# Altium PCB SmartWatch-V2.PcbDoc (continued)
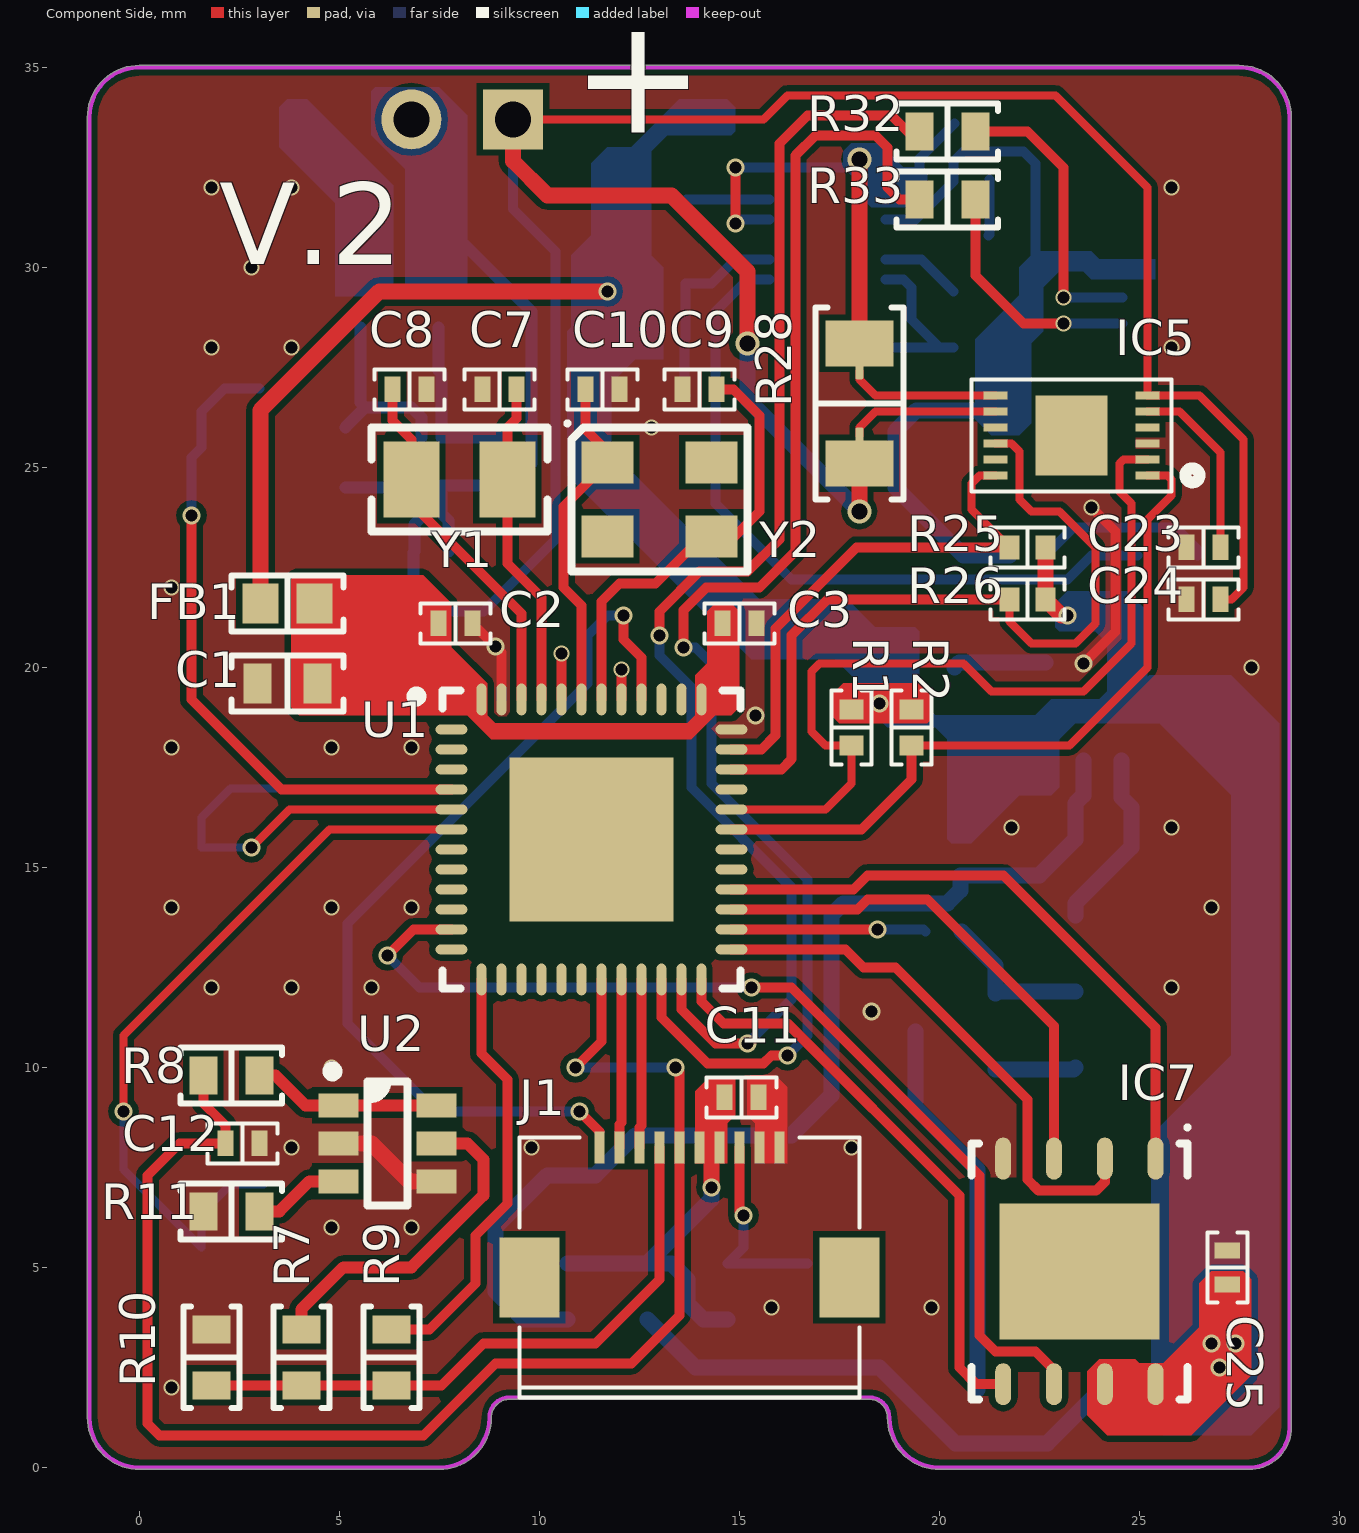
[diagram p0: Component Side view]
## Footprints (in the part's own frame and the unit in brackets; to place one, negate y for a bottom-side part, rotate by r counter-clockwise, add the part's x,y. Pads: shape width x height; smd on the part's side, far side on the other; paste and mask are expansions set on the pad) (continued)
  oval 0.25x0.8 smd: 13(-2.75,-3.5) 14(-2.25,-3.5) 15(-1.75,-3.5) 16(-1.25,-3.5) 17(-0.75,-3.5) 18(-0.25,-3.5) 19(0.25,-3.5) 20(0.75,-3.5) 21(1.25,-3.5) 22(1.75,-3.5) 23(2.25,-3.5) 24(2.75,-3.5) 37(2.75,3.5) 38(2.25,3.5) 39(1.75,3.5) 40(1.25,3.5) 41(0.75,3.5) 42(0.25,3.5) 43(-0.25,3.5) 44(-0.75,3.5) 45(-1.25,3.5) 46(-1.75,3.5) 47(-2.25,3.5) 48(-2.75,3.5)
  rect 4.1x4.1 smd: 49(0,0)
  silkscreen extent -4.5,-3.73 3.72,3.72, body extent -3.5,-3.5 3.5,3.5, height 1
TL3330 [mm]
  rect 1x1.5 smd: 1(-2,-1.5) 2(2,-1.5)
  rect 1.5x1 smd: 3(-3.5,0.5) 4(3.5,0.5)
  silkscreen extent -4,-1.75 4,1.25, body extent -3.9,-1.76 3.9,1.75, height 3.45

## Part data
BT1: "Multicell Battery", LatestRevisionDate=17-Jul-2002, LatestRevisionNote="Re-released for DXP Platform.", PackageDescription="Battery; 2 Leads", PackageReference=BAT-2, Published=24-Mar-1999, Publisher="Altium Limited"
C1: library part GRM188R60J106ME47D, "CAP CER 10UF 6.3V X5R 0603", Device Package="0603 (1608 Metric)", Manufacturer="Murata Electronics North America", Supplier Part Number 1=490-3896-2-ND, TemperatureCoefficient=X5R, TemperatureRange="-55C ~ 85C", Tolerance=20%, Voltage=6.3V, ComponentLink1Description=Datasheet, ComponentLink1URL=http://www.murata.com/~/media/webrenewal/support/library/catalog/products/capacitor/mlcc/c02e.pdf, ComponentLink2Description="Digi-Key Listing", ComponentLink2URL=https://www.digikey.com/product-detail/en/murata-electronics-north-america/GRM188R60J106ME47D/490-3896-2-ND/965910, PartId=12950, Part Number=GRM188R60J106ME47D, Price=0,031, Supplier 1=Digi-Key
C2 C3 C4 C5 C6 C11 C12 C25: library part C1005X7R1C104K050BC, "CAP CER 0.1UF 16V X7R 0402", Device Package="0402 (1005 Metric)", Manufacturer="TDK Corporation", Supplier Part Number 1=445-4952-2-ND, TemperatureCoefficient=X7R, TemperatureRange="-55C ~ 125C", Tolerance=10%, Voltage=16V, ComponentLink1Description=Datasheet, ComponentLink1URL=https://product.tdk.com/info/en/catalog/datasheets/mlcc_commercial_general_en.pdf, ComponentLink2Description="Digi-Key listing", ComponentLink2URL=http://digikey.com/product-detail/en/C1005X7R1C104K050BC/445-4952-2-ND/2093220, PartId=3856, Part Number=C1005X7R1C104K050BC, Price=0,0066, Supplier 1=Digi-Key, Type=-
C7 C8: library part C1005C0G1H180J050BA, "CAP CER 18PF 50V C0G 0402", Device Package="0402 (1005 Metric)", Manufacturer="TDK Corporation", Supplier Part Number 1=445-1238-2-ND, TemperatureCoefficient="C0G, NP0", TemperatureRange="-55C ~ 125C", Tolerance=5%, Voltage=50V, ComponentLink1Description=Datasheet, ComponentLink1URL=https://product.tdk.com/info/en/catalog/datasheets/mlcc_commercial_general_en.pdf, ComponentLink2Description="Digi-Key listing", ComponentLink2URL=http://digikey.com/product-detail/en/C1005C0G1H180J050BA/445-1238-2-ND/513675, PartId=3882, Part Number=C1005C0G1H180J050BA, Price=0,006, Supplier 1=Digi-Key, Type=-
C9 C10 C14: library part C1005C0G1H100D050BA, "CAP CER 10PF 50V C0G 0402", Device Package="0402 (1005 Metric)", Manufacturer="TDK Corporation", Supplier Part Number 1=445-1235-2-ND, TemperatureCoefficient="C0G, NP0", TemperatureRange="-55C ~ 125C", Tolerance=0.5pF, Voltage=50V, ComponentLink1Description=Datasheet, ComponentLink1URL=https://product.tdk.com/info/en/catalog/datasheets/mlcc_commercial_general_en.pdf, ComponentLink2Description="Digi-Key listing", ComponentLink2URL=http://digikey.com/product-detail/en/C1005C0G1H100D050BA/445-1235-2-ND/513663, PartId=3878, Part Number=C1005C0G1H100D050BA, Price=0,006, Supplier 1=Digi-Key, Type=-
C13 C15 C16: library part CC0402MRX5R4BB475, "CAP CER 4.7UF 4V X5R 0402", Device Package="0402 (1005 Metric)", Manufacturer=Yageo, Supplier Part Number 1=311-1728-2-ND, TemperatureCoefficient=X5R, TemperatureRange="-55C ~ 85C", Tolerance=20%, Voltage=4V, ComponentLink1Description=Datasheet, ComponentLink1URL=http://www.yageo.com/documents/recent/UPY-GPHC_X5R_4V-to-50V-21.pdf, ComponentLink2Description="Digi-Key Listing", ComponentLink2URL=https://www.digikey.com/product-detail/en/yageo/CC0402MRX5R4BB475/311-1728-2-ND/5195137, PartId=12625, Part Number=CC0402MRX5R4BB475, Price=0,034, Supplier 1=Digi-Key
C17 C19 C20 C22: library part C1005X7R1E104K050BB, "CAP CER 0.1UF 25V X7R 0402", Device Package="0402 (1005 Metric)", Manufacturer="TDK Corporation", Supplier Part Number 1=445-7348-2-ND, TemperatureCoefficient=X7R, TemperatureRange="-55C ~ 125C", Tolerance=10%, Voltage=25V, ComponentLink1Description=Datasheet, ComponentLink1URL=https://product.tdk.com/info/en/catalog/datasheets/mlcc_commercial_general_en.pdf, ComponentLink2Description="Digi-Key listing", ComponentLink2URL=http://digikey.com/product-detail/en/C1005X7R1E104K050BB/445-7348-2-ND/2732783, PartId=3858, Part Number=C1005X7R1E104K050BB, Price=0,0211, Supplier 1=Digi-Key, Type=-
C18: library part C1608X7R2A103K080AA, "CAP CER 10000PF 100V X7R 0603", Device Package="0603 (1608 Metric)", Manufacturer="TDK Corporation", Supplier Part Number 1=445-1304-1-ND, TemperatureCoefficient=X7R, TemperatureRange="-55C ~ 125C", Tolerance=10%, Voltage=100V, ComponentLink1Description=Datasheet, ComponentLink1URL=https://product.tdk.com/info/en/catalog/datasheets/mlcc_commercial_midvoltage_en.pdf, ComponentLink2Description="Digi-Key listing", ComponentLink2URL=http://digikey.com/product-detail/en/C1608X7R2A103K080AA/445-1304-1-ND/567706, PartId=4033, Part Number=C1608X7R2A103K080AA, Price=0,14, Supplier 1=Digi-Key, Type=-
C21: library part C1005X5R0J106M050BC, "CAP CER 10UF 6.3V X5R 0402", Device Package="0402 (1005 Metric)", Manufacturer="TDK Corporation", Supplier Part Number 1=445-8920-2-ND, TemperatureCoefficient=X5R, TemperatureRange="-55C ~ 85C", Tolerance=20%, Voltage=6.3V, ComponentLink1Description=Datasheet, ComponentLink1URL=https://product.tdk.com/info/en/catalog/datasheets/mlcc_commercial_general_en.pdf, ComponentLink2Description="Digi-Key Listing", ComponentLink2URL=https://www.digikey.com/product-detail/en/tdk-corporation/C1005X5R0J106M050BC/445-8920-2-ND/3507809, PartId=12380, Part Number=C1005X5R0J106M050BC, Price=0,119, Supplier 1=Digi-Key
C23: library part GRM155R61A474KE15D, "CAP CER 0.47UF 10V X5R 0402", Device Package="0402 (1005 Metric)", Manufacturer="Murata Electronics North America", Supplier Part Number 1=490-3264-2-ND, TemperatureCoefficient=X5R, TemperatureRange="-55C ~ 85C", Tolerance=10%, Voltage=10V, ComponentLink1Description=Datasheet, ComponentLink1URL=http://www.murata.com/~/media/webrenewal/support/library/catalog/products/capacitor/mlcc/c02e.pdf, ComponentLink2Description="Digi-Key Listing", ComponentLink2URL=https://www.digikey.com/product-detail/en/murata-electronics-north-america/GRM155R61A474KE15D/490-3264-2-ND/702528, PartId=12351, Part Number=GRM155R61A474KE15D, Price=0,0121, Supplier 1=Digi-Key
C24: library part GRM155R70G105KA12D, "CAP CER 1UF 4V X7R 0402", Device Package="0402 (1005 Metric)", Manufacturer="Murata Electronics North America", Supplier Part Number 1=490-7195-2-ND, TemperatureCoefficient=X7R, TemperatureRange="-55C ~ 125C", Tolerance=10%, Voltage=4V, ComponentLink1Description=Datasheet, ComponentLink1URL=http://www.murata.com/~/media/webrenewal/support/library/catalog/products/capacitor/mlcc/c02e.ashx, ComponentLink2Description="Digi-Key listing", ComponentLink2URL=http://digikey.com/product-detail/en/GRM155R70G105KA12D/490-7195-2-ND/3900466, PartId=5154, Part Number=GRM155R70G105KA12D, Price=0,019, Supplier 1=Digi-Key, Type=-
D1: library part 5975112407F, "LED RED DIFFUSED 0603 SMD", Current (Test)=20mA, Device Package="0603 (1608 Metric)", Manufacturer=Dialight, Supplier Part Number 1=350-2436-2-ND, Voltage Forward=1.7V, Colour=Red, ComponentLink1Description=Datasheet, ComponentLink1URL=http://www.dialight.com/Assets/Drawings/2D_Drawings_DrawingDetailedSpec/C16413.pdf, ComponentLink2Description="Digi-Key Listing", ComponentLink2URL=http://www.digikey.ca/product-detail/en/5975112407F/350-2436-2-ND/2432587, Lens Transparency=Diffused, Millicandela=11.7mcd, PartId=7057, Part Number=5975112407F, Price=0,3092, Supplier 1=Digi-Key, Type="Surface Mount", Viewing Angle=152
FB1: library part BLM18HE152SN1D, "FERRITE CHIP 1500 OHM 500MA 0603", Current Rating=500mA, DC Resistance="500 mOhm Max", Device Package="0603 (1608 Metric)", Manufacturer="Murata Electronics North America", Supplier Part Number 1=490-5216-2-ND, ComponentLink1Description=Datasheet, ComponentLink1URL=http://search.murata.co.jp/Ceramy/image/img/PDF/ENG/L0110S0101BLM18H.pdf, ComponentLink2Description="Digi-Key listing", ComponentLink2URL=http://digikey.com/product-detail/en/BLM18HE152SN1D/490-5216-2-ND/1948321, PartId=6736, Part Number=BLM18HE152SN1D, Price=0,0833, Supplier 1=Digi-Key, Type="Differential Mode - Single"
IC1: "IC BATTA CHRGR LI-ON with BUCK 10 DFN", Manufacturer="Linear Technology", PartId=16438, Part Number=LTC4081
IC2: "MOSFET 2 N-CHANNEL 30V 8WSON", Manufacturer="Texas Instruments", PartId=9696, Part Number=CSD87313DMS
IC3: "IC LITHIUM BATT PROTECT 6WSON", Manufacturer="Texas Instruments", PartId=16440, Part Number=BQ29723DSET
IC4: "IC REG BOOST ADJ 455MA SYNC SOT6", Manufacturer="Texas Instruments", PartId=16770, Part Number="TI TPS6107x"
IC5: "IC BATT FUEL GAUGE LI-ION 12SON", Manufacturer="Texas Instruments", PartId=16439, Part Number=BQ27441-G1
IC6: "MOSFET N-CH 60V 300MA SOT-23", Current Continuous Drain="300mA (Ta)", Device Package="TO-236-3, SC-59, SOT-23-3", Drain to Source Voltage (Vdss)=60V, Input Capacitance (Ciss) at Vds="50pF @ 10V", Manufacturer="NXP Semiconductors", Power - Max=830mW, Supplier Part Number 1=568-1369-2-ND, ComponentLink1Description=Datasheet, ComponentLink1URL=http://www.nxp.com/documents/data_sheet/2N7002.pdf, ComponentLink2Description="Digi-Key Listing", ComponentLink2URL=http://www.digikey.com/product-detail/en/2N7002,215/568-1369-2-ND/762973, Features="Logic Level Gate", Gate Charge (Qg)=-, PartId=7965, Part Number=2N7002,215, Price=0,0368, Rds On (Max) at Id, Vgs="5 Ohm @ 500mA, 10V", Supplier 1=Digi-Key, Type="MOSFET N-Channel, Metal Oxide", Vgs(th) (Max) at Id="2.5V @ 250uA"
IC7: library part S25FL116K0XNFI011, "IC FLASH MEM 16MB SPI CMOS 8WSON", Device Package="8-WDFN Exposed Pad", Manufacturer=Spansion, Operating Temperature="-40C ~ 85C", Supplier Part Number 1=1274-1131-ND, Voltage - Supply="2.7 V ~ 3.6 V", ComponentLink1Description=Datasheet, ComponentLink1URL=http://www.spansion.com/Support/Datasheets/S25FL1-K_00.pdf, ComponentLink2Description="Digi-Key Listing", ComponentLink2URL=http://www.digikey.com/product-detail/en/S25FL116K0XNFI011/1274-1131-ND/4517162, Interface="SPI Serial", Memory Size="16M (2M x 8)", Memory Type="FLASH - NOR", PartId=8258, Part Number=S25FL116K0XNFI011, Price=0,49, Speed=108MHz, Supplier 1=Digi-Key, Type="FLASH - NOR"
J1: "CONN FFC BOTTOM 10POS 0.50MM R/A", Colour=Natural, PartId=16458, Part Number=FH12-10S-0.5SH(55)
J2: "CONN USB B SINGLE SMT HORIZ CONNECTOR", Manufacturer=Molex, PartId=9700, Part Number="MOLEX 0473461001"
J3: library part B2B-XH-A(LF)(SN), "CONN HEADER XH TOP 2POS 2.5MM", Colour=Natural, Manufacturer="JST Sales America Inc.", Supplier Part Number 1=455-2247-ND, ComponentLink1Description=Datasheet, ComponentLink1URL=http://www.jst-mfg.com/product/pdf/eng/eXH.pdf, ComponentLink2Description="Digi-Key Listing", ComponentLink2URL=http://www.digikey.com/product-detail/en/jst-sales-america-inc/B2B-XH-A(LF)(SN)/455-2247-ND/1651045, Contact Finish=Tin, Fastening Type="Detent Lock", Number Of Positions=2, Number Of Rows=1, PartId=16449, Part Number=B2B-XH-A(LF)(SN), Pitch="0.098\" (2.50mm)", Price=0,15, Series=XH, Supplier 1=Digi-Key, Type="Header, Shrouded"
L1: library part VLS201610CX-100M, Current Rating=710mA, DC Resistance (DCR)="732 mOhm Max", Device Package=Nonstandard, Frequency - Self Resonant=-, Inductance=10uH, Manufacturer="TDK Corporation", Operating Temperature="-40C ~ 105C", Supplier Part Number 1=445-172946-2-ND, Tolerance=20%, ComponentLink1Description=Datasheet, ComponentLink1URL=https://product.tdk.com/info/en/catalog/datasheets/inductor_commercial_power_vls201610cx_en.pdf, ComponentLink2Description="Digi-Key Listing", ComponentLink2URL=https://www.digikey.com/product-detail/en/VLS201610CX-100M/445-172946-2-ND/5169751, PartId=9403, Part Number=VLS201610CX-100M, Price=0,1549, Q @ Freq=-, Series=VLS-CX, Shielding=Shielded, Supplier 1=Digi-Key, Type=Wirewound
L2: library part VLS201612CX-4R7M, "FIXED IND 4.7UH 1.12A 252 MOHM", Current Rating=1.12A, DC Resistance (DCR)="252 mOhm Max", Device Package=Nonstandard, Frequency - Self Resonant=-, Manufacturer="TDK Corporation", Operating Temperature="-40C ~ 105C", Supplier Part Number 1=445-172965-2-ND, Tolerance=20%, ComponentLink1Description=Datasheet, ComponentLink1URL=https://product.tdk.com/info/en/catalog/datasheets/inductor_commercial_power_vls201612cx_en.pdf, ComponentLink2Description="Digi-Key Listing", ComponentLink2URL=https://www.digikey.com/product-detail/en/VLS201612CX-4R7M/445-172965-2-ND/5169770, Inductance=4.7uH, PartId=9400, Part Number=VLS201612CX-4R7M, Price=0,1549, Q @ Freq=-, Series=VLS-CX, Shielding=Shielded, Supplier 1=Digi-Key, Type=Wirewound
R1 R2 R29: library part ERA-2AED103X, "RES SMD 10K OHM 0.5% 1/16W 0402", Device Package="0402 (1005 Metric)", Manufacturer="Panasonic Electronic Components", PowerRating="0.063W, 1/16W", Supplier Part Number 1=P10KDETR-ND, TemperatureCoefficient=25ppm/C, TemperatureRange="-55C ~ 155C", Tolerance=0.5%, ComponentLink1Description=Datasheet, ComponentLink1URL=http://industrial.panasonic.com/lecs/www-data/pdf/AOA0000/AOA0000CE26.pdf, ComponentLink2Description="Digikey listing", ComponentLink2URL=http://digikey.com/product-detail/en/ERA-2AED103X/P10KDETR-ND/1706126, PartId=540, Part Number=ERA-2AED103X, Price=0,0353, Supplier 1=Digi-Key, Type="Thin Film"
R3 R4 R5 R7 R8 R32 R33: library part ERJ-3GEY0R00V, "RES SMD 0.0OHM JUMPER 1/10W 0603", Device Package="0603 (1608 Metric)", Manufacturer="Panasonic Electronic Components", PowerRating="0.1W, 1/10W", Supplier Part Number 1=P0.0GTR-ND, TemperatureRange="-55C ~ 155C", Tolerance=Jumper, ComponentLink1Description=Datasheet, ComponentLink1URL=http://industrial.panasonic.com/www-cgi/jvcr13pz.cgi?E+PZ+3+AOA0001+ERJ3GEY0R00V+7+WW, ComponentLink2Description="Digi-Key Listing", ComponentLink2URL=https://www.digikey.com/product-detail/en/panasonic-electronic-components/ERJ-3GEY0R00V/P0.0GTR-ND/135656, PartId=16111, Part Number=ERJ-3GEY0R00V, Price=0,0031, Supplier 1=Digi-Key
R6 R9 R10: library part ERJ-3GEY0R00V, "DNP", Device Package="0603 (1608 Metric)", Manufacturer="Panasonic Electronic Components", PowerRating="0.1W, 1/10W", Supplier Part Number 1=P0.0GTR-ND, TemperatureRange="-55C ~ 155C", Tolerance=Jumper, ComponentLink1Description=Datasheet, ComponentLink1URL=http://industrial.panasonic.com/www-cgi/jvcr13pz.cgi?E+PZ+3+AOA0001+ERJ3GEY0R00V+7+WW, ComponentLink2Description="Digi-Key Listing", ComponentLink2URL=https://www.digikey.com/product-detail/en/panasonic-electronic-components/ERJ-3GEY0R00V/P0.0GTR-ND/135656, PartId=16111, Part Number=ERJ-3GEY0R00V, Price=0,0031, Supplier 1=Digi-Key
R11: library part ERA-3AEB432V, "RES SMD 4.3K OHM 0.1% 1/10W 0603", Device Package="0603 (1608 Metric)", Manufacturer="Panasonic Electronic Components", PowerRating="0.1W, 1/10W", Supplier Part Number 1=P4.3KDBTR-ND, TemperatureCoefficient=25ppm/C, TemperatureRange="-55C ~ 155C", Tolerance=0.1%, ComponentLink1Description=Datasheet, ComponentLink1URL=http://industrial.panasonic.com/lecs/www-data/pdf/AOA0000/AOA0000CE26.pdf, ComponentLink2Description="Digi-Key listing", ComponentLink2URL=http://digikey.com/product-detail/en/ERA-3AEB432V/P4.3KDBTR-ND/1465869, PartId=1536, Part Number=ERA-3AEB432V, Price=0,055, Supplier 1=Digi-Key, Type="Thin Film"
R12: library part ERA-2APB561X, "RES SMD 560 OHM 0.1% 1/16W 0402", Device Package="0402 (1005 Metric)", Manufacturer="Panasonic Electronic Components", PowerRating="0.063W, 1/16W", Supplier Part Number 1=P560CNTR-ND, TemperatureCoefficient=15ppm/C, TemperatureRange="-55C ~ 155C", Tolerance=0.1%, ComponentLink1Description=Datasheet, ComponentLink1URL=http://industrial.panasonic.com/lecs/www-data/pdf/AOA0000/AOA0000CE26.pdf, ComponentLink2Description="Digikey listing", ComponentLink2URL=http://digikey.com/product-detail/en/ERA-2APB561X/P560CNTR-ND/5140842, PartId=854, Part Number=ERA-2APB561X, Price=0,3284, Supplier 1=Digi-Key, Type="Thin Film"
R13: library part ERJ-3BQJR56V, "RES SMD 0.56 OHM 5% 1/4W 0603", Device Package="0603 (1608 Metric)", Manufacturer="Panasonic Electronic Components", PowerRating="0.25W, 1/4W", Supplier Part Number 1=P17441TR-ND, TemperatureCoefficient=200ppm/C, TemperatureRange="-55C ~ 125C", Tolerance=5%, ComponentLink1Description=Datasheet, ComponentLink1URL=https://industrial.panasonic.com/content/data/CC/PDF/news2014/en/AOA0000CE3.pdf, ComponentLink2Description="Digi-Key Listing", ComponentLink2URL=https://www.digikey.com/product-detail/en/panasonic-electronic-components/ERJ-3BQJR56V/P17441TR-ND/5647474, PartId=11383, Part Number=ERJ-3BQJR56V, Price=0,0301, Supplier 1=Digi-Key
R14: library part RC0402JR-071RL, "RES SMD 1 OHM 5% 1/16W 0402", Device Package="0402 (1005 Metric)", Manufacturer=Yageo, PowerRating="0.063W, 1/16W", Supplier Part Number 1=311-1.0JRTR-ND, TemperatureCoefficient=200ppm/C, TemperatureRange="-55C ~ 155C", Tolerance=5%, ComponentLink1Description=Datasheet, ComponentLink1URL=http://www.yageo.com/documents/recent/PYu-RC_Group_51_RoHS_L_04.pdf, ComponentLink2Description="Digi-Key Listing", ComponentLink2URL=https://www.digikey.com/product-detail/en/yageo/RC0402JR-071RL/311-1.0JRTR-ND/726407, PartId=14504, Part Number=RC0402JR-071RL, Price=0,0017, Supplier 1=Digi-Key
R15 R22: library part ERA-2AEB222X, "RES SMD 2.2K OHM 0.1% 1/16W 0402", Device Package="0402 (1005 Metric)", Manufacturer="Panasonic Electronic Components", PowerRating="0.063W, 1/16W", Supplier Part Number 1=P2.2KDCTR-ND, TemperatureCoefficient=25ppm/C, TemperatureRange="-55C ~ 155C", Tolerance=0.1%, ComponentLink1Description=Datasheet, ComponentLink1URL=http://industrial.panasonic.com/lecs/www-data/pdf/AOA0000/AOA0000CE26.pdf, ComponentLink2Description="Digikey listing", ComponentLink2URL=http://digikey.com/product-detail/en/ERA-2AEB222X/P2.2KDCTR-ND/1706013, PartId=671, Part Number=ERA-2AEB222X, Price=0,0871, Supplier 1=Digi-Key, Type="Thin Film"
R16 R19: library part ERJ-2GEJ515X, "RES SMD 5.1M OHM 5% 1/10W 0402", Device Package="0402 (1005 Metric)", Manufacturer="Panasonic Electronic Components", PowerRating="0.1W, 1/10W", Supplier Part Number 1=P5.1MJTR-ND, TemperatureCoefficient="-400/ +150ppm/C", TemperatureRange="-55C ~ 155C", Tolerance=5%, ComponentLink1Description=Datasheet, ComponentLink1URL=http://industrial.panasonic.com/www-cgi/jvcr13pz.cgi?E+PZ+3+AOA0001+ERJ2GEJ515X+7+WW, ComponentLink2Description="Digi-Key Listing", ComponentLink2URL=https://www.digikey.com/product-detail/en/panasonic-electronic-components/ERJ-2GEJ515X/P5.1MJTR-ND/282103, PartId=11092, Part Number=ERJ-2GEJ515X, Price=0,0019, Supplier 1=Digi-Key
R17: library part ERJ-2GEJ105X, "RES SMD 1M OHM 5% 1/10W 0402", Device Package="0402 (1005 Metric)", Manufacturer="Panasonic Electronic Components", PowerRating="0.1W, 1/10W", Supplier Part Number 1=P1.0MJTR-ND, TemperatureCoefficient=200ppm/C, TemperatureRange="-55C ~ 155C", Tolerance=5%, ComponentLink1Description=Datasheet, ComponentLink1URL=http://industrial.panasonic.com/www-cgi/jvcr13pz.cgi?E+PZ+3+AOA0001+ERJ2GEJ105X+7+WW, ComponentLink2Description="Digi-Key Listing", ComponentLink2URL=https://www.digikey.com/product-detail/en/panasonic-electronic-components/ERJ-2GEJ105X/P1.0MJTR-ND/146900, PartId=10989, Part Number=ERJ-2GEJ105X, Price=0,0019, Supplier 1=Digi-Key
R18: library part ERA-2AED104X, "RES SMD 100K OHM 0.5% 1/16W 0402", Device Package="0402 (1005 Metric)", Manufacturer="Panasonic Electronic Components", PowerRating="0.063W, 1/16W", Supplier Part Number 1=P100KDETR-ND, TemperatureCoefficient=25ppm/C, TemperatureRange="-55C ~ 155C", Tolerance=0.5%, ComponentLink1Description=Datasheet, ComponentLink1URL=http://industrial.panasonic.com/lecs/www-data/pdf/AOA0000/AOA0000CE26.pdf, ComponentLink2Description="Digikey listing", ComponentLink2URL=http://digikey.com/product-detail/en/ERA-2AED104X/P100KDETR-ND/1706150, PartId=592, Part Number=ERA-2AED104X, Price=0,0353, Supplier 1=Digi-Key, Type="Thin Film"
R20: library part ABNTC-0603-104J-4250F-T, "THERMISTOR NTC 100K OHM 5% 0603", B Value Tolerance=1%, Device Package="0603 (1608 Metric)", Manufacturer="Abracon LLC", Power - Max=100mW, Resistance in Ohms @ 25C=100k, Resistance Tolerance=5%, Supplier Part Number 1=535-12851-2-ND, TemperatureRange="-55C ~ 125C", B25/50=4250K, ComponentLink1Description=Datasheet, ComponentLink1URL=http://www.abracon.com/Magnetics/inductors/ABNTC-0603.pdf, ComponentLink2Description="Digi-Key Listing", ComponentLink2URL=https://www.digikey.com/product-detail/en/abracon-llc/ABNTC-0603-104J-4250F-T/535-12851-2-ND/4245602, PartId=16646, Part Number=ABNTC-0603-104J-4250F-T, Price=0,0799, Supplier 1=Digi-Key
R21: library part ERJ-2GEJ364X, "RES SMD 360K OHM 5% 1/10W 0402", Device Package="0402 (1005 Metric)", Manufacturer="Panasonic Electronic Components", PowerRating="0.1W, 1/10W", Supplier Part Number 1=P360KJTR-ND, TemperatureCoefficient=200ppm/C, TemperatureRange="-55C ~ 155C", Tolerance=5%, ComponentLink1Description=Datasheet, ComponentLink1URL=http://industrial.panasonic.com/www-cgi/jvcr13pz.cgi?E+PZ+3+AOA0001+ERJ2GEJ364X+7+WW, ComponentLink2Description="Digi-Key Listing", ComponentLink2URL=https://www.digikey.com/product-detail/en/panasonic-electronic-components/ERJ-2GEJ364X/P360KJTR-ND/146986, PartId=11116, Part Number=ERJ-2GEJ364X, Price=0,0019, Supplier 1=Digi-Key
R23: library part ERA-2AED331X, "RES SMD 330 OHM 0.5% 1/16W 0402", Device Package="0402 (1005 Metric)", Manufacturer="Panasonic Electronic Components", PowerRating="0.063W, 1/16W", Supplier Part Number 1=P330DETR-ND, TemperatureCoefficient=25ppm/C, TemperatureRange="-55C ~ 155C", Tolerance=0.5%, ComponentLink1Description=Datasheet, ComponentLink1URL=http://industrial.panasonic.com/lecs/www-data/pdf/AOA0000/AOA0000CE26.pdf, ComponentLink2Description="Digikey listing", ComponentLink2URL=http://digikey.com/product-detail/en/ERA-2AED331X/P330DETR-ND/1706090, PartId=598, Part Number=ERA-2AED331X, Price=0,0353, Supplier 1=Digi-Key, Type="Thin Film"
R24: library part ERJ-3GEYJ185V, "RES SMD 1.8M OHM 5% 1/10W 0603", Device Package="0603 (1608 Metric)", Manufacturer="Panasonic Electronic Components", PowerRating="0.1W, 1/10W", Supplier Part Number 1=P1.8MGTR-ND, TemperatureCoefficient="-400/ +150ppm/C", TemperatureRange="-55C ~ 155C", Tolerance=5%, ComponentLink1Description=Datasheet, ComponentLink1URL=http://industrial.panasonic.com/www-cgi/jvcr13pz.cgi?E+PZ+3+AOA0001+ERJ3GEYJ185V+7+WW, ComponentLink2Description="Digi-Key Listing", ComponentLink2URL=https://www.digikey.com/product-detail/en/panasonic-electronic-components/ERJ-3GEYJ185V/P1.8MGTR-ND/104353, PartId=11415, Part Number=ERJ-3GEYJ185V, Price=0,002, Supplier 1=Digi-Key
R25: library part ERA-2AED512X, "RES SMD 5.1K OHM 0.5% 1/16W 0402", Device Package="0402 (1005 Metric)", Manufacturer="Panasonic Electronic Components", PowerRating="0.063W, 1/16W", Supplier Part Number 1=P5.1KDETR-ND, TemperatureCoefficient=25ppm/C, TemperatureRange="-55C ~ 155C", Tolerance=0.5%, ComponentLink1Description=Datasheet, ComponentLink1URL=http://industrial.panasonic.com/lecs/www-data/pdf/AOA0000/AOA0000CE26.pdf, ComponentLink2Description="Digikey listing", ComponentLink2URL=http://digikey.com/product-detail/en/ERA-2AED512X/P5.1KDETR-ND/1706119, PartId=780, Part Number=ERA-2AED512X, Price=0,0353, Supplier 1=Digi-Key, Type="Thin Film"
R26: library part ERJ-2GEJ185X, "RES SMD 1.8M OHM 5% 1/10W 0402", Device Package="0402 (1005 Metric)", Manufacturer="Panasonic Electronic Components", PowerRating="0.1W, 1/10W", Supplier Part Number 1=P1.8MJTR-ND, TemperatureCoefficient="-400/ +150ppm/C", TemperatureRange="-55C ~ 155C", Tolerance=5%, ComponentLink1Description=Datasheet, ComponentLink1URL=http://industrial.panasonic.com/www-cgi/jvcr13pz.cgi?E+PZ+3+AOA0001+ERJ2GEJ185X+7+WW, ComponentLink2Description="Digi-Key Listing", ComponentLink2URL=https://www.digikey.com/product-detail/en/panasonic-electronic-components/ERJ-2GEJ185X/P1.8MJTR-ND/146924, PartId=11115, Part Number=ERJ-2GEJ185X, Price=0,0019, Supplier 1=Digi-Key
R27: library part ERA-3AEB204V, "RES SMD 200K OHM 0.1% 1/10W 0603", Device Package="0603 (1608 Metric)", Manufacturer="Panasonic Electronic Components", PowerRating="0.1W, 1/10W", Supplier Part Number 1=P200KDBTR-ND, TemperatureCoefficient=25ppm/C, TemperatureRange="-55C ~ 155C", Tolerance=0.1%, ComponentLink1Description=Datasheet, ComponentLink1URL=http://industrial.panasonic.com/lecs/www-data/pdf/AOA0000/AOA0000CE26.pdf, ComponentLink2Description="Digi-Key listing", ComponentLink2URL=http://digikey.com/product-detail/en/ERA-3AEB204V/P200KDBTR-ND/1465909, PartId=1470, Part Number=ERA-3AEB204V, Price=0,0653, Supplier 1=Digi-Key, Type="Thin Film"
R28: library part "Current Resistor", "1206", PartId=10239, Part Number="Current Resistor"
R30: library part ERA-3AEB103V, "RES SMD 10K OHM 0.1% 1/10W 0603", Device Package="0603 (1608 Metric)", Manufacturer="Panasonic Electronic Components", PowerRating="0.1W, 1/10W", Supplier Part Number 1=P10KDBTR-ND, TemperatureCoefficient=25ppm/C, TemperatureRange="-55C ~ 155C", Tolerance=0.1%, ComponentLink1Description=Datasheet, ComponentLink1URL=http://industrial.panasonic.com/lecs/www-data/pdf/AOA0000/AOA0000CE26.pdf, ComponentLink2Description="Digi-Key listing", ComponentLink2URL=http://digikey.com/product-detail/en/ERA-3AEB103V/P10KDBTR-ND/1465878, PartId=1432, Part Number=ERA-3AEB103V, Price=0,055, Supplier 1=Digi-Key, Type="Thin Film"
R31: library part ERJ-3GEYJ5R1V, "RES SMD 5.1 OHM 5% 1/10W 0603", Device Package="0603 (1608 Metric)", Manufacturer="Panasonic Electronic Components", PowerRating="0.1W, 1/10W", Supplier Part Number 1=P5.1GTR-ND, TemperatureCoefficient="-100/ +600ppm/C", TemperatureRange="-55C ~ 155C", Tolerance=5%, ComponentLink1Description=Datasheet, ComponentLink1URL=http://industrial.panasonic.com/www-cgi/jvcr13pz.cgi?E+PZ+3+AOA0001+ERJ3GEYJ5R1V+7+WW, ComponentLink2Description="Digi-Key Listing", ComponentLink2URL=https://www.digikey.com/product-detail/en/panasonic-electronic-components/ERJ-3GEYJ5R1V/P5.1GTR-ND/282128, PartId=11240, Part Number=ERJ-3GEYJ5R1V, Price=0,002, Supplier 1=Digi-Key
S1 S2 S3: "SWITCH TACTILE SPST-NO 0.02A 15V", Manufacturer=E-Switch, PartId=16469, Part Number=TL3330
U1: "16BIT 64KB FRAM 48VQFN", Frequency(MHz)=16, Manufacturer="Texas Instruments", PartNumber=MSP430FR5969RGZ, Supplier Part Number 1=296-29235-2-ND, ADC="10-bit SAR", ADC Channels=14, Brown Out Reset=Yes, Code_JEDEC=MO-153, Comparators=Yes, ComponentLink1Description="Manufacturer URL", ComponentLink1URL=http://www.ti.com/, ComponentLink2Description=Datasheet, ComponentLink2URL=http://www.ti.com/general/docs/lit/getliterature.tsp?genericPartNumber=MSP430FR5739&fileType=pdf, ComponentLink3Description="Package Specification", ComponentLink3URL=http://www.ti.com/litv/pdf/mtss003d, DatasheetVersion=SLAS639D, DMA=3, Eco-Plan="Green (RoHS & no Sb/Br)", FRAM(KB)=16, GPIO=33, Mounting Technology="Surface Mount", Multiplier=32x32, PackageDescription="48-Pin Plastic Flat Pack, Body 7 x 7 mm, Pitch 0.5 mm", PackageReference=RHA40-2900X2900TP, PartId=1, Part Number=MSP430FR5969IRGZ, Real-Time Clock=Yes, SRAM(B)=1024, SubFamily="FRAM Series", Supplier 1=Digi-Key, Supplier 2=Digi-Key, Supplier 3=Digi-Key, Supplier 4=Newark, Supplier 5=Mouser, Supplier Part Number 2=296-29235-1-ND, Supplier Part Number 3=296-29235-6-ND, Supplier Part Number 4=45T9762, Supplier Part Number 5=595-MSP430FR5739IDAR, SVS=Yes, Timers - 16-bit=5, USCI_A (UART/LIN/IrDA/SPI)=2, USCI_B (I2C & SPI)=1, Watchdog=Yes
Y1: library part ABS07-120-32.768KHZ-T, "CRYSTAL 32.7680KHZ 6PF SMD", Device Package=2-SMD, Frequency Stability=-, Frequency Tolerance=20ppm, Load Capacitance=6pF, Manufacturer="Abracon LLC", Operating Mode=Fundamental, Supplier Part Number 1=535-11937-2-ND, ComponentLink1Description=Datasheet, ComponentLink1URL=http://www.abracon.com/Resonators/ABS07-120-32.768kHz-T.pdf, ComponentLink2Description="Digi-Key Listing", ComponentLink2URL=http://www.digikey.com/product-detail/en/ABS07-120-32.768KHZ-T/535-11937-2-ND/3724043, ESR="55 kOhm", Frequency=32.768kHz, PartId=8490, Part Number=ABS07-120-32.768KHZ-T, Price=0,3784, Supplier 1=Digi-Key, Type="kHz Crystal (Tuning Fork)"
Y2: library part CX3225GB48000D0HPQCC, "CRYSTAL 48.0000MHZ 8PF SMD", Device Package="4-SMD, No Lead (DFN, LCC)", Frequency Stability=30ppm, Frequency Tolerance=20ppm, Load Capacitance=8pF, Manufacturer="AVX Corp/Kyocera Corp", Operating Mode=Fundamental, Supplier Part Number 1=1253-1226-2-ND, ComponentLink1Description=Datasheet, ComponentLink1URL=http://media.digikey.com/pdf/Data%20Sheets/AVX%20PDFs/CX3225GBxD0HPQCC_Series_Spec.pdf, ComponentLink2Description="Digi-Key Listing", ComponentLink2URL=https://www.digikey.com/product-detail/en/CX3225GB48000D0HPQCC/1253-1226-2-ND/4453903, ESR="50 Ohm", Frequency=48MHz, PartId=8842, Part Number=CX3225GB48000D0HPQCC, Price=0,3915, Series="CX3225GB, Kyocera", Supplier 1=Digi-Key, Type="MHz Crystal"

## Via types
v1: diameter 0.4, hole 0.3, Component Side to Bottom Layer, tented both sides, 37 vias
v2: diameter 0.45, hole 0.3, Component Side to Bottom Layer, tented both sides, 28 vias
v3: diameter 0.6, hole 0.4, Component Side to Bottom Layer, tented both sides, 3 vias

## Nets (pads, with @x,y where several pads share a name; then routed paths per layer and width w, separated by ;. In a path a pad name is that pad's centre, name@x,y a point inside that pad or via, vN(x,y) a via of type N, cw(c..) or ccw(c..) an arc to the next point about the centre after c; other vN are vias at no path point)
+3V: C14.2 C15.2 C21.2 C22.2 C25.2 FB1.1 IC4.3 IC4.6 IC7.7 IC7.8 J3.2 L1.2 L2.1 R1.2 R2.2 R3.2 R17.2 R25.2 R26.2 | length 32.3
  Component Side w0.4: FB1.1 3.025,26.425 6,29.4 v2(11.7,29.4) ; R25.2 R26.2 23.05,21.3 v2(23.2,21.3)
  Bottom Layer w0.4: R3.2 13.9,2.5 18.5,2.5 20.4,0.6 22.7,0.6 24.05,1.95 J3.2@26.45,1.95
  other v2: 27,2.5 26.8,3.1 27.4,3.1 18.5,19.1
+5V: C18.2 C19.2 IC1.2 J2.1 R12.1 R14.2 R18.1 | length 19.2
  Bottom Layer w0.25: IC1.2 19.4,31.2 R14.2@20.35,32.15 ; R14.2 20.35,32.65 20.6,32.9 22.1,32.9 22.4,32.6 22.4,30.1 ; C18.2@21.575,26.425 C18.2
  Bottom Layer w0.4: R18.1 21.7,28 22.2,28.5 22.2,29.6 22.8,30.2 ; C18.2@21.575,26.425 C19.2 19.425,26.425 18.9,25.9 18.9,24.5 20.6,22.8 R12.1 ; J2.1@24.2,29.9 J2.1@25.075,29.9
+5V_LCD: C20.2 IC4.5 R4.2 R24.2 | length 27.1
  Bottom Layer w0.4: R4.2 9.6,3.7 8.9,4.4 8.9,6 10.2,7.3 11.4,7.3 12.4,8.3 16.3,8.3 17.3,9.3 17.3,13.8 17.6,14.1 20.2,14.1 20.525,14.425 C20.2 22.5,14.8 R24.2 23.4,16.6 23.6,16.8 IC4.5
BIN: IC5.10 R26.1 U1.34 | length 19.8
  Component Side w0.2: IC5.10 21.8,25.6 22,25.4 22,24.2 22.3,23.9 23,23.9 23.9,23 23.9,21.1 23.4,20.6 22.3,20.6 21.75,21.15 R26.1
  Component Side w0.25: U1.34 16.05,17.45 16.305,17.705 16.305,20.805 17.2,21.7 R26.1
Buzzer: R29.2 U1.26 | length 4.9
  Component Side w0.25: U1.26 v2(18.45,13.45)
  Bottom Layer w0.25: v2(18.45,13.45) 19.6,13.45 R29.2
CELL+: BT1.1 C24.2 IC5.6 R23.1 R28.1 | length 60.3
  Component Side w0.2: BT1.1 15.6,33.7 16.2,34.3 22.9,34.3 25.2,32 IC5.6 26.5,26.8 27.6,25.7 27.6,22 27.3,21.7 C24.2
  Component Side w0.4: BT1.1 9.34,32.66 10.2,31.8 13.3,31.8 15.2,29.9 v3(15.2,28.1) ; v3(18,23.9) R28.1
  Bottom Layer w0.25: R23.1 8.6,21.4 10.4,23.2 10.4,30.4 9.34,31.46 BT1.1@9.34,33.75
  Bottom Layer w0.4: v3(15.2,28.1) 15.2,26.7 v3(18,23.9)
CELL-: BT1.2 C17.1 IC2.7 IC2.8 IC3.4 R19.1 | length 10.5
  Bottom Layer w0.3: C17.1 7.725,23.675 7.55,23.85 IC3.4 8.9,24.55 R19.1 9.45,24.75 9.8,25.1 9.8,28.9 8,30.7
DISP: C12.2 J1.5 R8.2 U1.19 | length 36.3
  Component Side w0.25: R8.2 1.6,9.1 2.15,8.55 C12.2 1,8.1 0.2,7.3 0.2,1.1 0.5,0.8 7.1,0.8 8.9,2.6 12.3,2.6 13.5,3.8 J1.5 13.5,9.9 v2(13.4,10) ; v2(10.9,10) 11.55,10.65 U1.19
  Bottom Layer w0.25: v2(10.9,10) v2(13.4,10)
EEPROM_CS: IC7.1 U1.28 | length 15.6
  Component Side w0.25: U1.28 17.85,14.45 18.2,14.8 21.6,14.8 25.405,10.995 IC7.1
EXTCOMIN: J1.4 R7.1 R9.1 R10.2 | length 15.6
  Component Side w0.25: R10.2 R7.1 R9.1 7.55,2.05 8.6,3.1 11.4,3.1 13,4.7 J1.4
GND: C1.1 C2.1 C3.1 C4.1 C5.1 C6.1 C7.2 C8.2 C9.2 C10.2 C11.1 C12.1 C13.1 C15.1 C16.1 C18.1 C19.1 C20.1 C21.1 C22.1 C23.1 C24.1 C25.1 IC1.3 IC1.8 IC1.11 IC4.2 IC5.3 IC7.4 J1.9 J1.10 J2.5 J2.S R6.1 R10.1 R11.1 R13.2 R15.2 R16.2 R20.1 R21.1 R22.1 R27.1 R30.1 R31.1 S1.1 S2.1 S3.1 U1.36 U1.41 U1.44 U1.47 U2.2 U2.4 | length 11.5
  Component Side w0.25: C2.1 v2(8.9,20.525) 9.05,20.375 U1.47 ; U1.44 v1(10.55,20.35) ; U1.41 v1(12.05,19.95) ; v2@23.7,20.1 v2(23.6,20.1) 24.4,20.9 24.4,23.4 v1(23.8,24)
  Component Side w0.4: U2.2@5,8.1 5.8,8.1 6.75,7.15 U2.4@7.4,7.15
  other v1: 0.8,2 15.8,4 19.8,4 4.8,6 6.8,6 3.8,8 9.8,8 17.8,8 4.8,10 1.8,12 3.8,12 5.8,12 25.8,12 0.8,14 4.8,14 6.8,14 26.8,14 21.8,16 25.8,16 0.8,18 4.8,18 6.8,18 27.8,20 0.8,22 12.8,26 1.8,28 3.8,28 25.8,28 2.8,30 1.8,32 3.8,32 25.8,32
  other v2: 18.3,11.4 15.4,18.8
GPOUT: IC5.12 R25.1 U1.35 | length 13.3
  Component Side w0.2: IC5.12 21,24.8 20.8,24.6 20.8,23.95 R25.1
  Component Side w0.25: U1.35 15.55,17.95 15.902,18.302 15.902,20.972 17.931,23 R25.1
LCD_CS: J1.3 U1.21 | length 4.2
  Component Side w0.25: J1.3 12.5,8.5 12.55,8.55 U1.21
LCD_WAKE: R9.2 U1.13 | length 10.8
  Component Side w0.25: R9.2 7.25,3.45 8.4,4.6 8.4,5.8 9.2,6.6 9.2,9.7 8.55,10.35 U1.13
NetC7_1: C7.1 U1.45 Y1.2 | length 8.2
  Component Side w0.25: C7.1 9.425,26.225 9.2,26 Y1.2 9.2,22.6 10.05,21.75 U1.45
NetC8_1: C8.1 U1.46 Y1.1 | length 9.1
  Component Side w0.25: C8.1 6.325,26.175 6.8,25.7 Y1.1 6.8,24.1 9.55,21.35 U1.46
NetC9_1: C9.1 U1.42 Y2.3 | length 11.1
  Component Side w0.25: U1.42 11.55,21.65 12,22.1 12.9,22.1 14.075,23.275 Y2.3 14.875,23.275 15.5,23.9 15.5,26.3 14.85,26.95 C9.1
NetC10_1: C10.1 U1.43 Y2.1 | length 8.6
  Component Side w0.25: U1.43 11.05,21.55 10.6,22 10.6,24.025 Y2.1 11.7,25.4 11.15,25.95 C10.1
NetC11_2: C11.2 J1.6 J1.7 R3.1 R4.1 R5.2 | length 8.8
  Component Side w0.4: v2(14.3,7) 14.3,8.3
  Bottom Layer w0.4: R4.1 R3.1 ; v2(14.3,7) 14.3,6.7 R3.1 ; R5.2 14.1,3.7 13.7,4.1 13.7,4.7 13.3,5.1 R3.1
NetC13_2: C13.2 R14.1 | length 1.4
  Bottom Layer w0.25: C13.2 21.25,30.825 R14.1
NetC14_1: C14.1 IC1.7 R17.1 R21.2 | length 5.2
  Bottom Layer w0.25: R21.2 13.625,26.825 C14.1 13.65,28.225 R17.1 14.3,29.6 14.9,30.2 IC1.7
NetC17_2: C17.2 IC3.5 R23.2 | length 3.2
  Bottom Layer w0.3: R23.2 6.85,22.875 C17.2 6.875,23.575 7.05,23.75 IC3.5
NetC23_2: C23.2 IC5.5 | length 4.6
  Component Side w0.2: IC5.5 26,26.4 27.025,25.375 C23.2
NetD1_1: D1.1 R12.2 | length 4.5
  Bottom Layer w0.25: R12.2 23.35,23.5 25.9,23.5 26.45,22.95 D1.1
NetD1_2: D1.2 IC1.6 | length 18.1
  Bottom Layer w0.25: IC1.6 15.2,29.7 14.4,28.9 14.4,24.1 16.3,22.2 23.2,22.2 23.8,22.8 D1.2
NetIC1_4: IC1.4 R22.2 | length 2
  Bottom Layer w0.25: IC1.4 19.55,30.2 R22.2
NetIC1_5: IC1.5 R18.2 R20.2 | length 5
  Bottom Layer w0.25: R20.2@17.875,27.95 17.925,28 20,28 ; IC1.5 19.1,29.7 19.3,29.5 19.3,28.7 20,28 ; R18.2 20,28
NetIC1_10: IC1.10 L1.1 | length 2.1
  Bottom Layer w0.25: L1.1 IC1.10
NetIC2_1: IC2.1 IC3.3 R19.2 | length 4.4
  Bottom Layer w0.3: IC2.1 7.475,27.425 7.55,27.35 IC3.3 9,25.75 R19.2
NetIC2_4: IC2.4 IC3.2 R16.1 | length 4.8
  Bottom Layer w0.3: R16.1 5.65,26.5 ; IC2.4 5.525,26.625 5.65,26.5 ; IC3.2 7.05,26.25 6.8,26.5 5.65,26.5
NetIC2_5: IC2.5 IC2.6 R13.1
NetIC3_6: IC3.6 R15.1 | length 1.4
  Bottom Layer w0.3: R15.1 6.5,24.5 IC3.6
NetIC4_1: IC4.1 L2.2 | length 2.3
  Bottom Layer w0.4: L2.2 20.5,20.125 IC4.1
NetIC4_4: IC4.4 R24.1 R27.2 | length 4.6
  Bottom Layer w0.4: R27.2 23.4,14.1 24.8,15.5 R24.1 24.8,16.5 24.55,16.75 IC4.4
NetIC6_1: IC6.1 R29.1 R30.2 | length 3.9
  Bottom Layer w0.4: R29.1 21.4,12.55 IC6.1 21.45,11.9 R30.2
NetIC6_2: IC6.2 J3.1 | length 9.6
  Bottom Layer w0.4: IC6.2 19.4,9 20.95,7.45 J3.1@20.95,1.95
NetIC6_3: IC6.3 R31.2 | length 2
  Bottom Layer w0.4: IC6.3 23.35,9.95 R31.2
NetJ1_8: J1.8 R5.1 R6.2 | length 5.1
  Component Side w0.25: J1.8 15,6.4 v2(15.1,6.3)
  Bottom Layer w0.25: v2(15.1,6.3) 15.1,5.5 R5.1 R6.2
NetJ2_2: J2.2 R32.1 | length 7.3
  Component Side w0.25: R32.1 22.2,33.4 23.1,32.5 23.1,29.3 v1@23.15,29.25
  Bottom Layer w0.25: v1@23.15,29.25 J2.2
  other v1: 23.1,29.25
NetJ2_3: J2.3 R33.1 | length 6.1
  Component Side w0.25: R33.1 20.9,29.8 22.1,28.6 v1(23.1,28.6)
  Bottom Layer w0.25: v1(23.1,28.6) J2.3
NetR8_1: R8.1 U2.1 U2.6 | length 4.7
  Component Side w0.3: R8.1 3.4,9.8 4.15,9.05 5,9.05 U2.6@7.4,9.05
NetR11_2: R11.2 U2.3 | length 2.3
  Component Side w0.3: R11.2 3.5,6.4 4.25,7.15 U2.3@5,7.15
RST: R32.2 U1.23 | length 33.1
  Component Side w0.25: v2(13,20.8) 13,21.4 14.002,22.402 15.202,22.402 16,23.2 16,33.1 16.7,33.8 18.8,33.8 R32.2@19.5,33.1 ; U1.23 13.55,11.45 14.4,10.6 v2(15.2,10.6)
  Bottom Layer w0.25: v2(13,20.8) 13,20.3 13.8,19.5 13.8,17 16.298,14.502 16.298,11.698 v2(15.2,10.6)
SCL: IC5.2 R1.1 U1.32 | length 21.1
  Component Side w0.2: U1.32 17.15,16.45 17.8,17.1 R1.1 17.15,18.05 16.8,18.4 16.8,19.9 17,20.1 20.6,20.1 21.3,19.4 23.6,19.4 24.8,20.6 24.8,24.1 24.5,24.4 24.5,25.1 24.6,25.2 IC5.2
SDA: IC5.1 R2.1 U1.31 | length 18.2
  Component Side w0.2: R2.1 23.25,18.05 25.2,20 25.2,23.7 25.8,24.3 25.8,24.7 25.7,24.8 IC5.1
  Component Side w0.25: U1.31 18.05,15.95 19.3,17.2 R2.1
SPICLKA: J1.1 U1.40 | length 23
  Component Side w0.25: v2(11,8.9) J1.1@11.5,8.4 ; v2(12.1,21.3) 12.1,20.7 12.55,20.25 U1.40
  Bottom Layer w0.25: v2(11,8.9) 7.4,8.9 5.2,11.1 5.2,13.6 11.2,19.6 11.2,20.8 11.7,21.3 v2(12.1,21.3)
SPICLKB: IC7.6 U1.11 | length 25.5
  Component Side w0.25: v2(6.2,12.8) 6.85,13.45 U1.11 ; v2(15.3,12) 16.3,12 21,7.3 21,3.3 21.4,2.9 22.4,2.9 22.865,2.435 IC7.6
  Bottom Layer w0.25: v2(6.2,12.8) 7,12 v2(15.3,12)
SPISIMOA: J1.2 U1.20 | length 4.2
  Component Side w0.25: J1.2 12,8.575 12.05,8.625 U1.20
SPISIMOB: IC7.5 U1.24 | length 14.6
  Component Side w0.25: U1.24 14.05,11.65 14.6,11.1 14.989,11.1 14.992,11.102 16.198,11.102 20.5,6.8 20.5,2.5 20.92,2.08 IC7.5
SPISOMIB: IC7.2 U1.25 | length 13.7
  Component Side w0.25: U1.25 17.65,12.95 18.1,12.5 18.9,12.5 22.2,9.2 22.2,7.2 22.482,6.918 23.918,6.918 24.135,7.135 IC7.2
SR_N: IC5.7 R28.4 | length 3.8
  Component Side w0.2: R28.4 18,27.2 18.4,26.8 IC5.7
SR_P: IC5.8 R28.3 | length 3.8
  Component Side w0.2: R28.3 18,26 18.4,26.4 IC5.8
SW1: C4.2 S1.2 U1.4 | length 16.4
  Component Side w0.25: v2(1.3,23.8) 1.3,19.2 3.55,16.95 U1.4
  Bottom Layer w0.25: v2(1.3,23.8) 1.3,25.25 S1.2 1.55,26.4 2.125,26.975 C4.2
SW2: C5.2 S2.2 U1.5 | length 9.5
  Component Side w0.2: v2(2.8,15.5) 3.75,16.45 U1.5
  Bottom Layer w0.2: v2(2.8,15.5) S2.2 1.55,16.25 2.275,16.975 C5.2
SW3: C6.2 S3.2 U1.6 | length 19.1
  Component Side w0.2: v2(-0.4,8.9) -0.4,10.8 4.75,15.95 U1.6
  Bottom Layer w0.2: v2(-0.4,8.9) -0.4,7.45 S3.2 1.55,6.35 2.275,7.075 C6.2
TEST: R33.2 U1.22 | length 35.3
  Component Side w0.25: U1.22 13.05,11.25 14.202,10.098 15.598,10.098 15.8,10.3 16.1,10.3 v2(16.2,10.3) ; v2(13.6,20.5) 13.6,21.431 14.169,22 15.5,22 16.402,22.902 16.402,32.802 16.9,33.3 18.4,33.3 18.7,33 18.7,32 19,31.7 R33.2
  Bottom Layer w0.25: v2(13.6,20.5) 13.9,20.5 14.3,20.1 14.3,17.1 16.7,14.7 16.7,10.8 v2(16.2,10.3)
TPL: R7.2 U2.5 | length 8.5
  Component Side w0.3: R7.2 4.05,3.95 5.1,5 6.8,5 8.6,6.8 8.6,7.7 8.2,8.1 U2.5@7.4,8.1
VCC: C1.2 C2.2 C3.2 FB1.2 U1.37 U1.48
VSYS: C16.2 IC1.1 IC1.9 R28.2 | length 13
  Component Side w0.25: v2(14.9,31.1) v2(14.9,32.5)
  Component Side w0.4: R28.2 v3(18,32.7)
  Bottom Layer w0.25: v2(14.9,31.1) 15,31.2 IC1.9 ; v2(14.9,32.5) 17.8,32.5 v3(18,32.7) ; IC1.1 19.1,31.7 19.5,32.1 19.5,32.725 C16.2
Write_F: IC7.3 U1.27 | length 12.8
  Component Side w0.25: U1.27 17.95,13.95 18.2,14.2 19.7,14.2 22.865,11.035 IC7.3
pads on no net: IC2.2 IC2.3 IC3.1 IC5.4 IC5.9 IC5.11 IC5.13 IC7.9 J1.11 J1.12 J2.4 S1.3 S1.4 S2.3 S2.4 S3.3 S3.4 U1.1 U1.2 U1.3 U1.7 U1.8 U1.9 U1.10 U1.12 U1.14 U1.15 U1.16 U1.17 U1.18 U1.29 U1.30 U1.33 U1.38 U1.39 U1.49 Y2.2 Y2.4

## Polygon pours and split planes (outlines as drawn)
GND on Bottom Layer "Bottom Layer-No Net" (solid, pour order 10): 7.5,0 ccw(c7.5,1.3) 8.8,1.3 cw(c9.3,1.3) 9.3,1.8 18.2,1.8 cw(c18.2,1.2) 18.8,1.2 ccw(c20,1.2) 20,0 27.6,0 ccw(c27.6,1.2) 28.8,1.2 28.8,33.7 ccw(c27.5,33.7) 27.5,35 0.1,35 ccw(c0.1,33.7) -1.2,33.7 -1.2,1.3 ccw(c0.1,1.3) 0.1,0
GND on Component Side "GND_L01_P004" (solid, remove dead copper, pour order 4): 27.55,35 cw(c27.55,33.75) 28.8,33.75 28.8,1.25 cw(c27.55,1.25) 27.55,0 20.05,0 cw(c20.05,1.25) 18.8,1.25 ccw(c18.3,1.25) 18.3,1.75 9.28,1.75 ccw(c9.28,1.27) 8.8,1.27 cw(c7.53,1.27) 7.53,0 0.05,0 cw(c0.05,1.25) -1.2,1.25 -1.2,33.73 cw(c0.07,33.73) 0.07,35

## Keep-outs
Keep-Out Layer:
  lines w0.1: -1.25,1.25 ccw(c0,1.25) 0,0 7.25,0 7.5,0 ccw(c7.5,1.25) 8.75,1.25 cw(c9.25,1.25) 9.25,1.75 18.25,1.75 cw(c18.25,1.25) 18.75,1.25 ccw(c20,1.25) 20,0 27.75,0 ccw(c27.75,1) 28.75,1 28.75,2 28.75,33.75 ccw(c27.5,33.75) 27.5,35 0,35 ccw(c0,33.75) -1.25,33.75 -1.25,1.25

## Other copper
Component Side:
  region net GND: 15.4,7.6 15.4,8.6 15.2,8.8 15.2,9.7 15.3,9.8 15.9,9.8 16.2,9.5 16.2,7.6
  region net NetC11_2: 13.9,7.6 13.9,9.4 14.2,9.7 14.9,9.7 14.9,8.8 14.7,8.6 14.7,7.6
  region net VCC: 3.8,22.2 3.9,22.3 7.1,22.3 7.8,21.6 7.8,20.5 8.7,19.6 8.7,18.8 4,18.8 3.8,19
  region: 4.9,18.4
  region net VCC: 13.9,18.8 13.9,19.8 14.2,20.1 14.2,21.4 14.4,21.6 14.8,21.6 15,21.4 15,19 14.8,18.8
  region net +3V: 19.7,18.6 17.5,18.6 17.3,18.8 17.3,19.3 17.6,19.6 19.5,19.6 19.8,19.3 19.8,18.7
  region: 22.1,21.1
  region net VCC: 13.9,18.9
  region net VCC: 14,18.9 13.7,18.6 8.9,18.6 8.7,18.8 8.2,18.8 8.8,18.2 13.8,18.2 14.5,18.9
  region net +3V: 24.9,2.7 24,2.7 23.7,2.4 23.7,1.3 24.2,0.8 26.3,0.8 27.8,2.3 27.8,4.7 27.6,4.9 26.8,4.9 26.5,4.6 26.5,3.5 25.6,2.6 25,2.6
  pour cut-out: 8.3,18.5 14.258,18.5 14.6,18.158 14.6,12.9 14.1,12.4 8.7,12.4 8,13.1 8,18.2
  pour cut-out: 21,7.3 21.042,7.258 25.737,7.258 25.737,2.394 21,2.394
  pour cut-out: 21.7,27.2 21.7,24.6 21.9,24.4 24.8,24.4 24.9,24.5 24.9,27.2
Bottom Layer:
  region net +3V: 10.8,28.5 10.8,30.3 11.3,30.8 11.3,32.6 11.6,32.9 11.6,30.4 12.2,29.8 12.2,28.5
  region net +3V: 18.4,21 17.7,21.7 15.5,21.7 11.8,25.4 11.8,27.1 12.7,28 12.2,28.5 10.8,28.5 10.7,28.4 10.7,24.8 15.3,20.2 17.4,20.2 18.3,19.3 18.4,19.3
  region net +3V: 25.3,8.3 27.3,10.3 27.3,16.8 25.5,18.6 25,18.6 25,19.55 25.25,19.8 27.3,19.8 28.5,18.6 28.5,1.5 27.8,0.8 25.6,0.8 25.3,1.1
  region net +3V: 22.4,18.8 22.8,19.2 24,19.2 24.2,19.4 24.2,20.6 24.5,20.9 25,20.9 25.2,20.7 25.2,18.8 25,18.6 23.4,18.6 23,18.2
  region net +3V: 19.5,20.9 19.4,21 18.4,21 18.3,20.9 18.3,18.9 18.7,18.5 19.9,18.5 20.2,18.2 20.2,15.7 20.3,15.6 20.8,15.6 22,16.8 22.8,16.8 23,17 23,18.2 22.4,18.8 19.9,18.8 19.5,19.2
  region net +3V: 12.8,30.3 13.1,30 13.1,27.7 12.4,27.7 12.2,27.9 12.2,29.8 11.6,30.4 11.6,32.9 11.7,33 12.3,33 13.5,34.2 14.7,34.2 14.9,34 14.9,33.4 14.8,33.3 13.2,33.3 12.8,32.9
  region net +3V: 25.2,21.4 24.7,21.9 23.2,21.9 22.9,21.6 22.9,21 23,20.9 23.9,20.9 24.2,20.6 25.2,20.6
  region net CELL-: 5.9,34.5 7.5,34.5 8.2,33.8 8.2,31.575 6.65,31.575 6.65,32.45 5.8,33.3 5.8,34.4
  region net NetIC2_5: 6.35,31.575 6.35,32.05 4.2,34.2 3.7,34.2 3.5,34 3.5,33 4.9,31.6 4.9,31.575
  region net +5V: 20.9,28.2 20.9,26.2 21.3,25.8 22,25.8 22.3,26.1 22.3,28.1 22.6,28.4 22.6,29.5 23,29.9 23.6,29.9 23.8,29.7 25.4,29.7 25.4,30.2 24,30.2 23.8,30.4 22.4,30.4 22,30 22,29.3
  region net VSYS: 17.6,32.5 17.6,32.9 17.8,33.1 18.5,33.1 19.1,32.5 19.6,32.5 19.7,32.4 19.7,32 19.2,31.5 18.3,31.5 18.2,31.6 18.2,32 17.9,32.3 17.8,32.3

## Silkscreen, mask and mechanical layers (free items; w line width, h text height)
Top Overlay:
  text "+" at 10.8,32.4 h5
  text "V.2" at 2,29.4 h3.5
Bottom Overlay:
  drawing of 8 lines, arcs and shapes, not listed
  text "R7 | R9 | R10" at 15.9,18.6 h2.5
  text "TPL|Wake|EXTC" at 16,16.7 h2
  text "R4 | R3" at 13.3,14.2 h2.5
  text "5V | 3V" at 13.4,12.2 h2.5
  text "R5 | R6" at 13.3,9.3 h2.5

## Text inside footprints (layer, text, board x,y; h text height)
BT1: Bottom Overlay "+" at 11.4,33 h1.15